# Altium PCB IDC_MCX_Adapter_flex.PCBDOC (part 2 of 4)
Units mm, origin at the board's own origin, x right, y up, seen from the top; angles counter-clockwise.
Board outline 170.6 x 106.1 mm, 4 copper layers (L1, L2, L3, L4), stack 1.598 mm thick; 298 components, 203 nets, 907 pads, 346 vias.
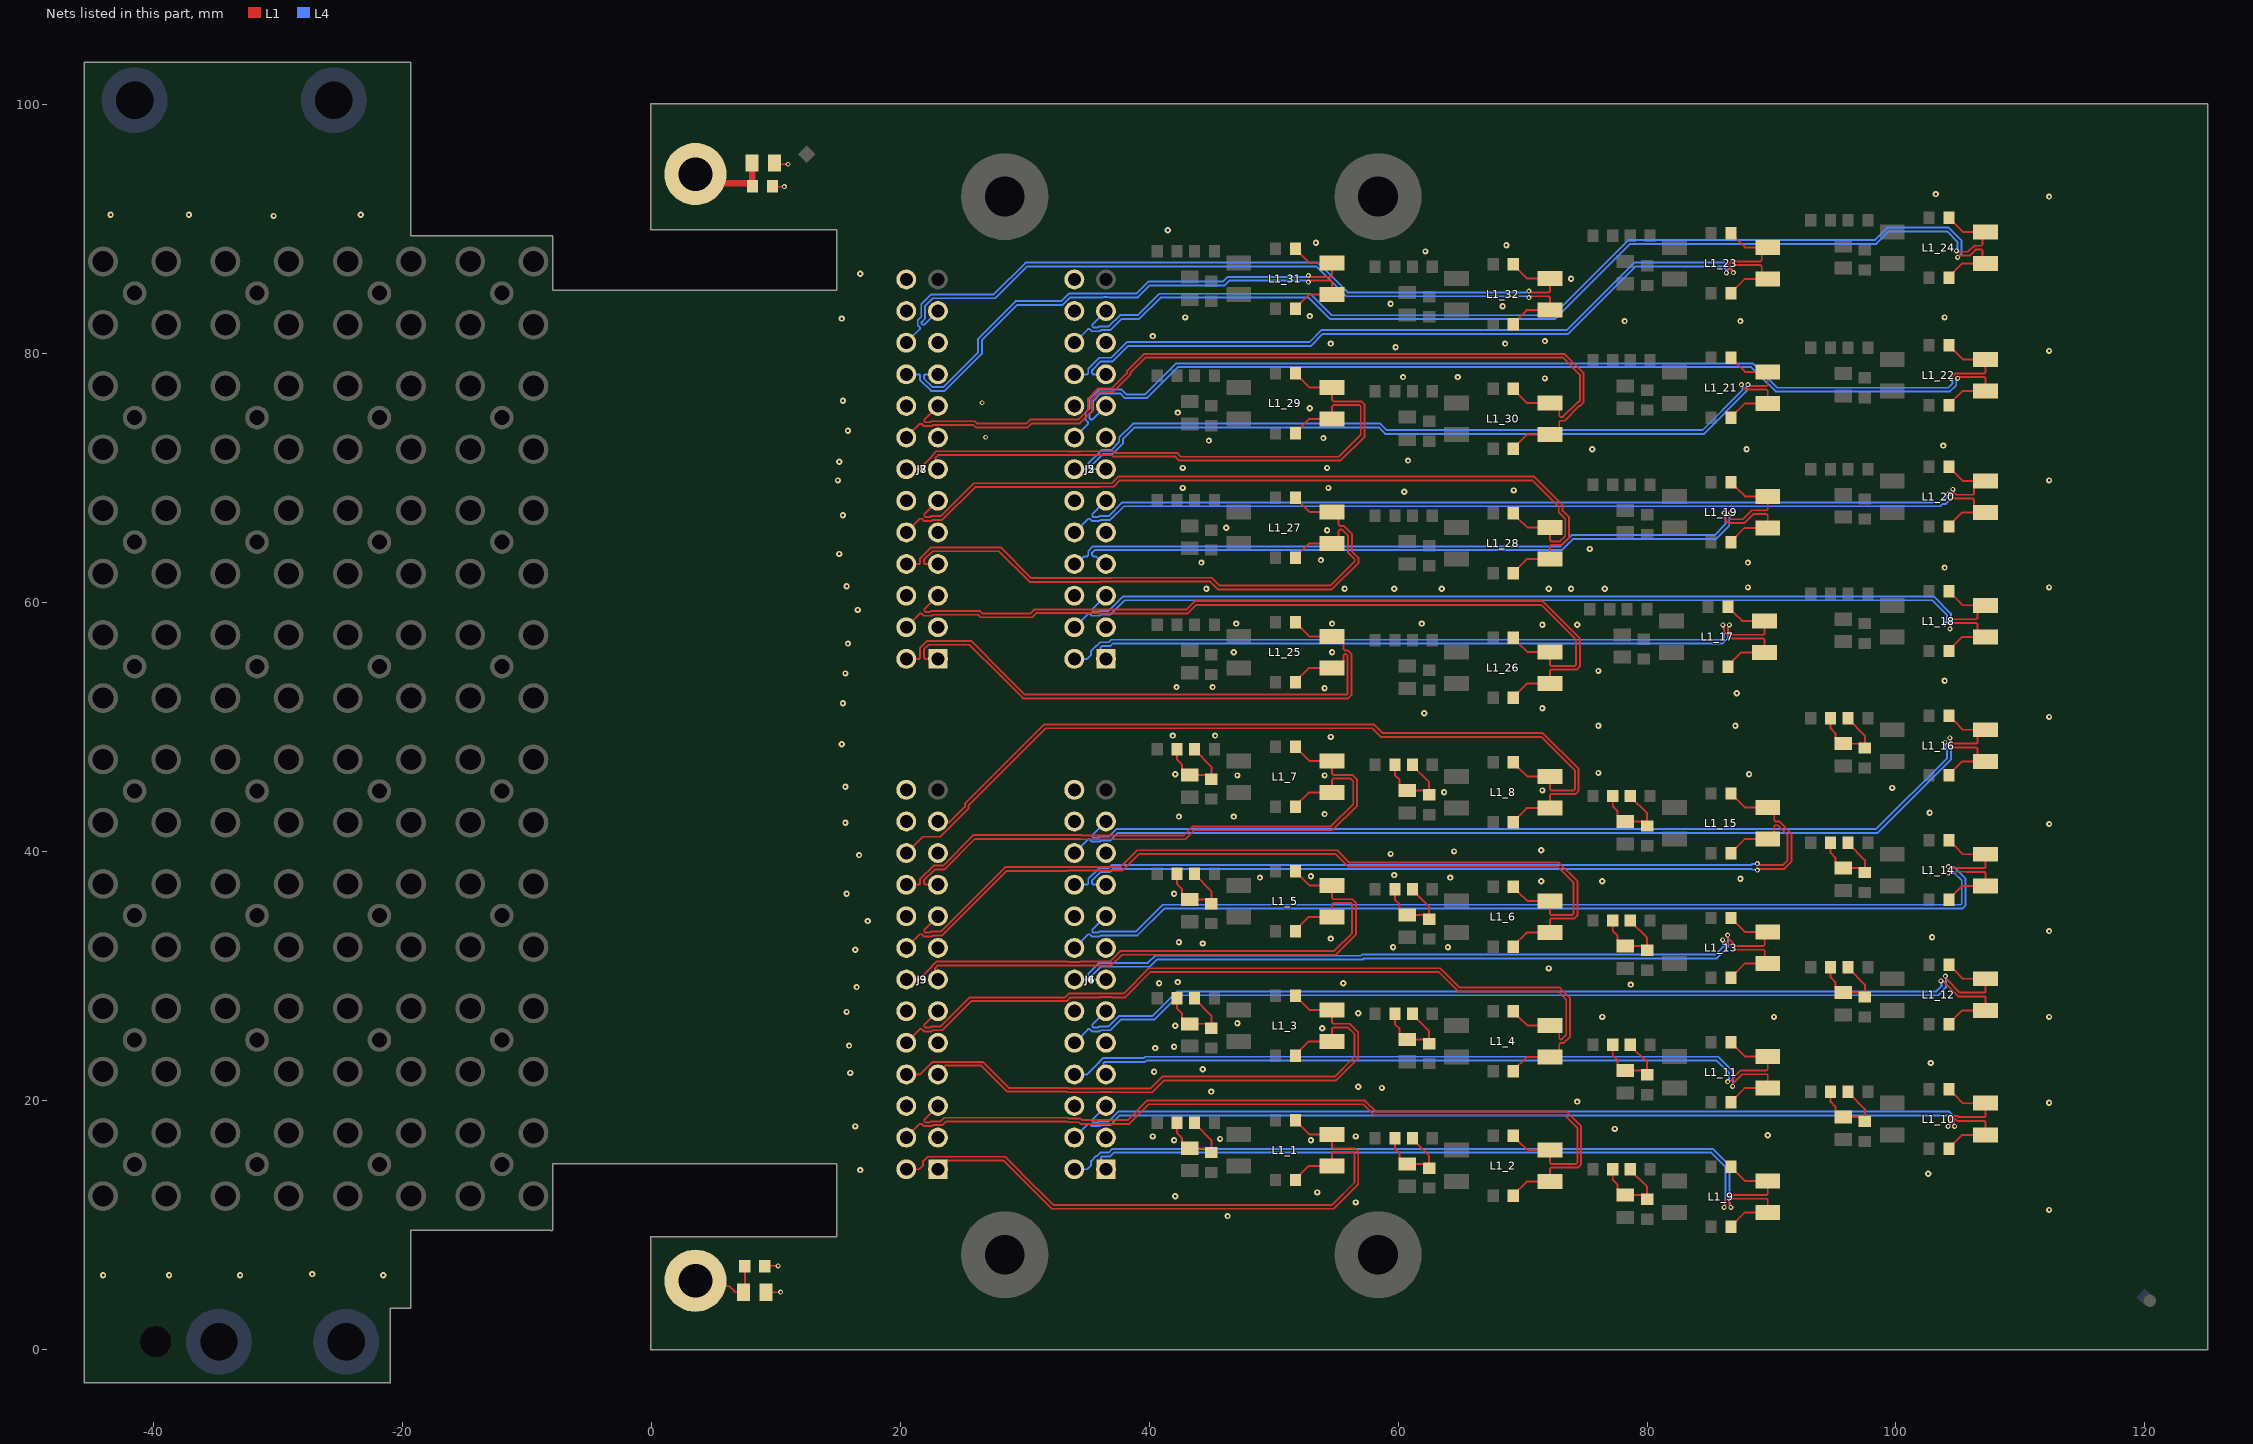
[diagram p4: the nets of this part, all layers, seen from the top]

## Part data
B1 B7: library part PLATED_HOLE2.7_PAD5.0, "Single Terminal Socket", Author="CERN DEM JMW", ComponentHeight=0mm, Component Type="Standard (No BOM)", CreateDate=27.09.2011, Family="Plated Hole", HelpURL=Undefined, LatestRevisionDate=27.09.2011, Mounted=No, PackageDescription="Plated Through Hole: Hole Dia.=2.7mm Pad Dia.=5.0mm", Part Description="Plated Through Hole: Hole Dia.=2.7mm Pad Dia.=5.0mm", Part Number=PLATED_HOLE2.7_PAD5.0, Pin Count=1, Sense=No, SMD=No, Socket=No, Status=None
B2 B3 B4 B5: library part PLATED_HOLE3.2_PAD7.0, "Single Terminal Socket", Author="CERN DEM JMW", Component Type="Standard (No BOM)", ComponentHeight=0mm, CreateDate=28.11.2017, Family="Plated Hole", HelpURL=Undefined, LatestRevisionDate=28.11.2017, Mounted=No, PackageDescription="Plated Through Hole: Hole Dia.=3.2mm Pad Dia.=7.0mm", Part Description="Plated Through Hole: Hole Dia.=3.2mm Pad Dia.=7.0mm", Part Number=PLATED_HOLE3.2_PAD7.0, Pin Count=1, Sense=No, SMD=No, Socket=No, Status=None
C1_1 C1_2 C1_3 C1_4 C1_5 C1_6 C1_7 C1_8 C1_9 C1_10 C1_11 C1_12 C1_13 C1_14 C1_15 C1_16 C1_17 C1_18 C1_19 C1_20 C1_21 C1_22 C1_23 C1_24 C1_25 C1_26 C1_27 C1_28 C1_29 C1_30 C1_31 C1_32 C11 C15: library part CC0805_NO-VALUE, "Non-polarised capacitor", Case=0805, Manufacturer1 ComponentHeight=1.35mm, Author="CERN DEM JLC", Component Type=Standard, CreateDate=10.12.2008, HelpURL=Undefined, LatestRevisionDate=11.09.2013, Manufacturer=Undefined, Manufacturer Part Number=CC0805_NO-VALUE, Mounted=No, Part Description="Reserved Footprint For 0805(2012) Chip Ceramic Capacitor", Part Number=CC0805_NO-VALUE, Pin Count=2, Sense=No, SMD=Yes, Socket=No, Status=None
FTG1: library part FIDUCIAL_TARGET_C100-200, "Fiducial Target", Author="CERN DEM JLC", ComponentHeight=0mm, Component Type="Standard (No BOM)", CreateDate=09.02.2010, Family=Fiducial, HelpURL=Undefined, LatestRevisionDate=04.04.2012, Mounted=No, PackageDescription="Round Fiducial Target, Top Layer, 1.0mm, Top Solder 2.0mm, Keepout =2.0mm", Part Description="Round Fiducial Target, Top Layer, 1.0mm, Top Solder 2.0mm, Keepout =2.0mm", Part Number=FIDUCIAL_TARGET_C100-200, Pin Count=1, Sense=No, SMD=Yes, Socket=No, Status=None
FTG2 FTG3 FTG4: library part FIDUCIAL_TARGET_S100-200, "Fiducial Target", Author="CERN DEM JLC", ComponentHeight=0mm, Component Type="Standard (No BOM)", CreateDate=09.02.2010, Family=Fiducial, HelpURL=Undefined, LatestRevisionDate=04.04.2012, Mounted=No, PackageDescription="Square Fiducial Target, Top Layer, 1.0mm, Top Solder 2.0mm, Keepout =2.0mm", Part Description="Square Fiducial Target, Top Layer, 1.0mm, Top Solder 2.0mm, Keepout =2.0mm", Part Number=FIDUCIAL_TARGET_S100-200, Pin Count=1, Sense=No, SMD=Yes, Socket=No, Status=None
J2 J6 J8 J9: library part CMP-1023-00053-1, "Elevated Socket, Through-hole, Vertical, -55 to 125 degC, 2.54 mm Pitch, 26-Pin, Female, RoHS", Manufacturer=Samtec, Temperature Range="-55 to 125 degC", ComponentLink1Description="Manufacturer URL", ComponentLink1URL=http://www.samtec.com, ComponentLink2Description=Datasheet, ComponentLink2URL=http://www.samtec.com/documents/webfiles/pdf/ESW_TH.PDF, ComponentLink3Description="Package Specification", ComponentLink3URL=http://www.samtec.com/documents/webfiles/cpdf/ESW-1XX-XX-X-X-XX-XX-MKT.pdf, DatasheetVersion=F-214, Mounting Technology=Through-hole, Orientation=Vertical, PackageDescription="ESW Strip ASM", PackageReference=ESW-113-23-X-D, PackageVersion="AV, 7/1985", PartNumber=ESW-113-23-L-D, Pitch="2.54 mm", RoHS=True
J3 J4 J5 J7: library part 3M_N2526-6002RB, "Connector 26 Male", Manufacturer=3M, Manufacturer Part Number=N2526-6002RB, Author="CERN DEM JLC", ComponentHeight=10.03mm, Component Type=Standard, CreateDate=11.02.2009, Family="Header 26", HelpURL=\\cern.ch\dfs\Applications\Altium\Datasheets\3M_N2526-6002RB.pdf, LatestRevisionDate=11.08.2009, Mounted=Yes, Part Description="26 Contacts - Straight .100'' x .100'' Low Profile Four-Wall Header, 2500 Series", Part Number=3M_N2526-6002RB, Pin Count=26, PressFit=No, Sense=No, SMD=No, Socket=No, Status=None
J13 J14 J15 J16 J17 J18 J19 J20 J21 J22 J23 J24 J25 J26 J27 J28 J29 J30 J31 J32 J33 J34 J35 J36 J37 J38 J39 J40 J41 J42 J43 J44: library part AMPHENOL_919-109J-51PX, Manufacturer=AMPHENOL, Manufacturer Part Number="919-109J-51PX (MCX6251B1-3GT30G-50)", Author="CERN DEM BC", Component Type=Standard, ComponentHeight=6.06mm, CreateDate=31.01.2019, Family=MCX, HelpURL=\\cern.ch\dfs\Applications\Altium\Datasheets\AMPHENOL_919-109J-51PX.pdf, LatestRevisionDate=31.01.2019, Mounted=Yes, Part Description="50 Ohm, RF Connector, MCX Straight PCB Receptacle Jack", Part Number=AMPHENOL_919-109J-51PX, Pin Count=5, PressFit=No, Sense=No, SMD=No, Socket=No, Status=None
L1_1 L1_2 L1_3 L1_4 L1_5 L1_6 L1_7 L1_8 L1_9 L1_10 L1_11 L1_12 L1_13 L1_14 L1_15 L1_16 L1_17 L1_18 L1_19 L1_20 L1_21 L1_22 L1_23 L1_24 L1_25 L1_26 L1_27 L1_28 L1_29 L1_30 L1_31 L1_32: library part IND_6.5MH_50%_WURTH_WE-SL2-744229, "Inductor Common Mode", Manufacturer="WURTH ELEKTRONIK", Manufacturer Part Number=744229, Power=400mA, Resistance=0.95R, Tolerance=±50%, Author="CERN DEM JLC", Component Type=Standard, ComponentHeight=5.3mm, CreateDate=01.10.2012, HelpURL=\\cern.ch\dfs\Applications\Altium\Datasheets\IND_WURTH_WE-SL2_744229.pdf, LatestRevisionDate=15.10.2012, Mounted=Yes, Part Description="Common Mode SMD Line Filter (WE-SL2 Serie)", Part Number=IND_6.5MH_50%_WURTH_WE-SL2-744229, Pin Count=4, Sense=No, SMD=Yes, Socket=No, Status=None
R1_1 R1_2 R1_3 R1_4 R1_5 R1_6 R1_7 R1_8 R1_9 R1_10 R1_11 R1_12 R1_13 R1_14 R1_15 R1_16 R1_17 R1_18 R1_19 R1_20 R1_21 R1_22 R1_23 R1_24 R1_25 R1_26 R1_27 R1_28 R1_29 R1_30 R1_31 R1_32 R2_1 R2_2 R2_3 R2_4 R2_5 R2_6 R2_7 R2_8 R2_9 R2_10 R2_11 R2_12 R2_13 R2_14 R2_15 R2_16 R2_17 R2_18 R2_19 R2_20 R2_21 R2_22 R2_23 R2_24 R2_25 R2_26 R2_27 R2_28 R2_29 R2_30 R2_31 R2_32 R3_1 R3_2 R3_3 R3_4 R3_5 R3_6 R3_7 R3_8 R3_9 R3_10 R3_11 R3_12 R3_13 R3_14 R3_15 R3_16 R3_17 R3_18 R3_19 R3_20 R3_21 R3_22 R3_23 R3_24 R3_25 R3_26 R3_27 R3_28 R3_29 R3_30 R3_31 R3_32 R5_1 R5_2 R5_3 R5_4 R5_5 R5_6 R5_7 R5_8 R5_9 R5_10 R5_11 R5_12 R5_13 R5_14 R5_15 R5_16 R5_17 R5_18 R5_19 R5_20 R5_21 R5_22 R5_23 R5_24 R5_25 R5_26 R5_27 R5_28 R5_29 R5_30 R5_31 R5_32 R17 R23: library part R0603_0R_JUMPER, "Resistor", Case=0603, Manufacturer=GENERIC, Manufacturer1 ComponentHeight=0.55mm, Manufacturer1 Example="NIC COMPONENT", Manufacturer1 Part Number=NRC06Z0, Author="CERN DEM JLC", Component Type=Standard, CreateDate=03.12.2007, HelpURL=\\cern.ch\dfs\Applications\Altium\Datasheets\R0603_NIC_NRC.pdf, LatestRevisionDate=13.03.2008, Manufacturer Part Number=R0603_0R_JUMPER, Mounted=Yes, Part Description="1A (0.05R Max DC Resistance) Zero Ohm Jumper", Part Number=R0603_0R_JUMPER, Pin Count=2, Sense=No, SMD=Yes, Socket=No, Status=Preferred
  R17 R23: PressFit=No
R4_1 R4_2 R4_3 R4_4 R4_5 R4_6 R4_7 R4_8 R4_9 R4_10 R4_11 R4_12 R4_13 R4_14 R4_15 R4_16 R4_17 R4_18 R4_19 R4_20 R4_21 R4_22 R4_23 R4_24 R4_25 R4_26 R4_27 R4_28 R4_29 R4_30 R4_31 R4_32: library part R0603_NO-VALUE, "Resistor", Case=0603, Author="CERN DEM JLC", Component Type=Standard, CreateDate=03.12.2007, HelpURL=Undefined, LatestRevisionDate=13.03.2008, Manufacturer=Undefined, Manufacturer1 ComponentHeight=Undefined, Manufacturer1 Example=Undefined, Manufacturer1 Part Number=Undefined, Manufacturer Part Number=R0603_NO-VALUE, Mounted=No, Part Description="Reserved Footprint For a 0603 (1608) Chip Resistor", Part Number=R0603_NO-VALUE, Pin Count=2, PressFit=No, Sense=No, SMD=Yes, Socket=No, Status=None
S1 S2 S3 S4: library part "WA-SMSI,  9774035243", "WA-SMSI SMD Steel Spacer with internal Thread", Manufacturer="Wurth Elektronik", ComponentLink1Description=Manufacturer, ComponentLink1URL=http://www.we-online.de, ComponentLink2Description=Datasheet, ComponentLink2URL=http://katalog.we-online.de/em/datasheet/9774035243.pdf, Created by="Baojun Chen", Created Date=20.Oct.2015, partNo=9774035243
SCREW3 SCREW4 SCREW5 SCREW6 SCREW7 SCREW8 SCREW9 SCREW10: library part BOSSARD_BN5687-3061605_v, "Screw", Manufacturer=BOSSARD, Manufacturer Part Number="BN5687 Art.3061605", Author="CERN DEM JLC", Component Type=Mechanical, ComponentHeight=2.4mm, CreateDate=15.01.2013, HelpURL=\\cern.ch\dfs\Applications\Altium\Datasheets\BOSSARD_BN5687-3061605.pdf, LatestRevisionDate=15.01.2013, Mounted=Yes, PackageDescription="M3 L=6mm Hexalobular Socket Pan Head Screw, Fully Threaded - Stainless Steel A2", Part Description="M3 L=6mm Hexalobular Socket Pan Head Screw, Fully Threaded, Stainless Steel A2", Part Number=BOSSARD_BN5687-3061605_v, Pin Count=0, PressFit=No, Sense=No, SMD=No, Socket=No, Status=None
ST1 ST3 ST4 ST5: library part STANDOFF_HARWIN_R30_1001802, "M3.0x18 standoff", Manufacturer=Harwin, Manufacturer Part Number=R30-1001802
W1 W2 W3 W4: "M3 Washer: / ID: 3.2mm / OD: 6mm / Thickness 0.8mm", Manufacturer="Accu Limited", Manufacturer Part Number=HAFZ-M3-A4

## Free pads (board coordinates)
  round 2.55 hole 2.55: 1(-39.805,0.6)

## Via types
v1: diameter 0.5, hole 0.2, L1 to L4, tented both sides, 176 vias
v2: diameter 0.4, hole 0.2, L1 to L4, tented both sides, 170 vias

## Nets (pads, with @x,y where several pads share a name; then routed paths per layer and width w, separated by ;. In a path a pad name is that pad's centre, name@x,y a point inside that pad or via, vN(x,y) a via of type N, cw(c..) or ccw(c..) an arc to the next point about the centre after c; other vN are vias at no path point)
GND: C11.2 C15.2 J2.3 J2.6 J2.9 J2.12 J2.15 J2.18 J2.21 J2.24 J3.3 J3.6 J3.9 J3.12 J3.15 J3.18 J3.21 J3.24 J4.3 J4.6 J4.9 J4.12 J4.15 J4.18 J4.21 J4.24 J5.3 J5.6 J5.9 J5.12 J5.15 J5.18 J5.21 J5.24 J6.3 J6.6 J6.9 J6.12 J6.15 J6.18 J6.21 J6.24 J7.3 J7.6 J7.9 J7.12 J7.15 J7.18 J7.21 J7.24 J8.3 J8.6 J8.9 J8.12 J8.15 J8.18 J8.21 J8.24 J9.3 J9.6 J9.9 J9.12 J9.15 J9.18 J9.21 J9.24 R17.1 R23.1 | length 4.4
  L1 w0.127: R23.1@9.124,6.673 9.151,6.7 v2(10.2,6.7) ; C15.2@9.224,4.581 9.243,4.6 v2(10.4,4.6) ; R17.1@9.742,93.44 9.782,93.4 v2(10.7,93.4) ; C11.2@9.9,95.3 10,95.2 v2(11,95.2)
  other v1: -44.033,5.949 -38.733,5.949 -33.024,5.947 -21.533,5.949 -27.233,6.049 46.3,10.7 112.3,11.2 56.6,11.8 42.1,12.3 53.5,12.6 102.6,14.1 16.8,14.4 42,16.8 53,16.8 45.7,16.9 40.3,17.1 56.6,17.1 89.7,17.2 77.4,17.7 16.4,17.9 112.3,19.8 74.4,19.9 45,20.7 58.7,21 56.8,21.1 16,22.2 40.4,22.3 44.3,22.5 102.8,23 40.5,24.2 42,24.3 15.9,24.4 53.9,25.8 42.1,26 47.1,26.2 76.4,26.7 90.2,26.7 112.3,26.7 56.8,27 15.7,27.1 16.5,29.1 78.7,29.3 40.8,29.4 55.6,29.4 42.3,29.5 72.1,30.6 16.4,32.1 59.6,32.3 64,32.3 44.3,32.6 42.4,32.7 54.6,33 102.9,33.1 112.3,33.6 17.4,34.4 15.7,36.6 42,36.6 71.5,37.6 76.4,37.6 87.5,37.8 48.9,37.9 64.2,37.9 53,38 59.7,38.1 16.7,39.7 59.4,39.8 64.5,40 71.5,40.1 112.3,42.2 15.6,42.3 42.4,42.8 46.8,42.8 54.1,43 102.7,43.1 63.7,44.75 71.6,44.9 99.7,45.1 15.6,45.2 47.1,46.1 54.1,46.1 42.1,46.2 88.2,46.2 76.1,46.3 15.3,48.6 54.6,49.2 41.9,49.3 45.3,49.3 76.1,50.1 87.1,50.1 112.3,50.8 62.1,51.1 71.6,51.5 15.4,51.9 87.2,52.7 54.1,53.1 42.2,53.2 45.1,53.2 103.9,53.7 15.6,54.3 76.1,54.5 46.8,56 54.7,56 15.8,56.7 71.6,58.2 74.4,58.2 47,58.3 54.7,58.3 61.9,58.3 16.6,59.4 44.6,61.1 55.7,61.1 59.7,61.1 63.5,61.1 72.1,61.1 73.9,61.1 76.6,61.1 88.1,61.2 112.3,61.2 15.7,61.3 103.9,62.8 44.2,63.2 88.1,63.2 53.8,63.4 15.1,63.9 75.4,64.3 54.3,65.8 46.2,66 15.4,67 60.5,68.9 69.3,69 42.7,69.2 54.4,69.2 15,69.8 112.3,69.8 42.7,70.8 54.3,70.8 15.1,71.3 60.8,71.4 75.6,72.3 88,72.3 103.8,72.6 44.8,73 54,73.2 15.8,73.8 42.3,75.25 52.9,75.6 15.4,76.2 71.8,78 60.4,78.1 64.8,78.1 112.3,80.2 59.8,80.5 54.6,80.8 68.6,80.8 71.8,81 40.3,81.4 78.2,82.6 87.5,82.6 15.3,82.8 42.9,82.9 103.9,82.9 52.9,83 68.4,83.8 59.4,84 73.9,86 16.8,86.4 62.2,88.2 68.7,88.7 53.4,88.9 41.5,89.9 -30.333,91.049 -43.433,91.149 -37.133,91.149 -23.333,91.149 112.3,92.6 103.2,92.8
  other v2: 26.865,73.269 26.59,76.04
IN_N1: J3.2 J9.2 L1_1.3 R5_1.2 | length 47.7
  L1 w0.152: J9.2@20.492,14.466 21.521,14.466 21.847,14.792 21.847,15.118 22.198,15.469 28.431,15.469 30.992,12.908 31.1,12.8 32.3,11.6 54.7,11.6 56.5,13.4 56.5,15.758 56.411,15.848 54.789,15.848 54.7,15.758 L1_1.3@54.7,14.73 52.83,14.73 51.75,13.65 R5_1.2@51.75,13.6
IN_N2: J3.5 J9.5 L1_2.3 R5_2.2 | length 66.4
  L1 w0.152: J9.5@23.032,19.546 21.933,18.447 21.933,18.321 22.023,18.232 22.408,18.232 22.491,18.314 23.255,18.314 23.541,18.6 33.52,18.6 33.577,18.543 34.485,18.543 34.612,18.416 38.285,18.416 39.858,19.989 57.311,19.989 57.4,19.9 58.195,19.105 73.526,19.105 74.705,17.926 74.705,14.865 74.437,14.598 72.289,14.598 72.2,14.508 L1_2.3@72.2,13.48 70.33,13.48 69.25,12.4 R5_2.2@69.25,12.35
IN_N3: J3.8 J9.8 L1_3.3 R5_3.2 | length 46.7
  L1 w0.152: J9.8@20.492,22.086 21.614,22.086 22.617,23.089 26.651,23.089 28.74,21 33.48,21 33.524,20.956 40.125,20.956 41.071,21.902 54.902,21.902 56.5,23.5 56.5,25.348 56,25.848 54.789,25.848 54.7,25.758 L1_3.3@54.7,24.73 52.83,24.73 51.75,23.65 R5_3.2@51.75,23.6
IN_N4: J3.11 J9.11 L1_4.3 R5_4.2 | length 65.7
  L1 w0.152: J9.11@23.032,27.166 21.933,26.067 21.933,25.941 22.023,25.852 22.408,25.852 22.491,25.934 23.255,25.934 25.598,28.277 33.254,28.277 33.552,28.576 37.945,28.576 39.984,30.616 63.389,30.616 64.95,29.055 72.976,29.055 73.814,28.217 73.814,25.126 73.286,24.598 73.033,24.598 72.944,24.508 72.944,24.004 72.42,23.48 L1_4.3@72.2,23.48 70.33,23.48 69.25,22.4 R5_4.2@69.25,22.35
IN_N5: J3.14 J9.14 L1_5.3 R5_5.2 | length 45.9
  L1 w0.152: J9.14@20.492,29.706 21.521,29.706 22.503,30.688 22.503,30.747 22.897,31.141 33.499,31.141 33.524,31.116 34.461,31.116 34.486,31.141 36.846,31.141 37.705,32 54.863,32 56.3,33.437 56.3,35.758 56.211,35.848 54.789,35.848 54.7,35.758 L1_5.3@54.7,34.73 52.83,34.73 51.75,33.65 R5_5.2@51.75,33.6
IN_N6: J3.17 J9.17 L1_6.3 R5_6.2 | length 67.5
  L1 w0.152: J9.17@23.032,34.786 21.933,33.687 21.933,33.561 22.023,33.472 22.408,33.472 22.491,33.554 23.255,33.554 28.437,38.736 34.461,38.736 34.486,38.761 37.73,38.761 39.058,40.089 55.111,40.089 55.2,40 56.095,39.105 72.926,39.105 74.405,37.626 74.405,34.865 74.137,34.598 72.289,34.598 72.2,34.508 L1_6.3@72.2,33.48 70.33,33.48 69.25,32.4 R5_6.2@69.25,32.35
IN_N7: J3.20 J9.20 L1_7.3 R5_7.2 | length 47
  L1 w0.152: J9.20@20.492,37.326 21.521,37.326 21.61,37.415 21.61,37.789 22.684,38.863 23.448,38.863 25.886,41.301 34.587,41.301 34.612,41.276 42.783,41.276 43.507,42 54.6,42 56.4,43.8 56.4,45.648 56.2,45.848 54.789,45.848 54.7,45.758 L1_7.3@54.7,44.73 52.83,44.73 51.75,43.65 R5_7.2@51.75,43.6
IN_N8: J3.23 J9.23 L1_8.3 R5_8.2 | length 65.1
  L1 w0.152: J9.23@23.032,42.406 23.106,42.333 23.947,42.333 25.195,43.581 25.195,43.826 31.569,50.2 58.055,50.2 58.75,49.505 71.626,49.505 74.505,46.626 74.505,44.865 74.237,44.598 72.289,44.598 72.2,44.508 L1_8.3@72.2,43.48 70.33,43.48 69.25,42.4 R5_8.2@69.25,42.35
IN_N9: J4.2 J6.2 L1_9.3 R5_9.2 | length 65.7
  L1 w0.152: v2(86.727,11.4) 86.727,11.467 86.616,11.578 86.616,11.859 86.854,12.098 89.611,12.098 89.7,12.008 L1_9.3@89.7,10.98 87.83,10.98 86.75,9.9 R5_9.2@86.75,9.85
  L4 w0.152: J6.2@33.992,14.466 35.021,14.466 35.347,14.792 35.347,15.118 35.761,15.532 35.82,15.532 36.088,15.8 36.745,15.8 37.05,16.105 85.276,16.105 86.516,14.866 86.616,14.766 86.616,11.716 86.679,11.652 86.679,11.447 v2(86.727,11.4)
IN_N10: J4.5 J6.5 L1_10.3 R5_10.2 | length 80
  L1 w0.152: R5_10.2@104.25,16.1 104.25,16.15 105.33,17.23 L1_10.3@107.2,17.23 107.2,18.258 107.111,18.348 104.921,18.348 104.82,18.448 104.694,18.448 104.605,18.359 104.605,18.078 104.716,17.967 v2(104.716,17.9)
  L4 w0.152: J6.5@36.532,19.546 35.433,18.447 35.433,18.321 35.523,18.232 35.908,18.232 35.991,18.314 36.755,18.314 37.53,19.089 104.292,19.089 104.416,18.966 104.605,18.776 104.605,18.078 104.716,17.967 v2(104.716,17.9)
IN_N11: J4.8 J6.8 L1_11.3 R5_11.2 | length 63.1
  L1 w0.152: R5_11.2@86.75,19.85 86.75,19.9 87.83,20.98 L1_11.3@89.7,20.98 89.7,22.008 89.611,22.098 87.656,22.098 86.92,21.362 86.92,21.175 v2(86.873,21.127)
  L4 w0.152: J6.8@33.992,22.086 35.021,22.086 36.024,23.09 36.024,23.127 36.292,23.395 39.564,23.395 39.674,23.505 85.726,23.505 86.716,22.516 86.905,22.326 86.905,21.16 v2(86.873,21.127)
IN_N12: J4.11 J6.11 L1_12.3 R5_12.2 | length 80.4
  L1 w0.152: v2(103.6,29.6) 103.647,29.553 103.804,29.553 105.01,28.348 107.111,28.348 107.2,28.258 L1_12.3@107.2,27.23 105.33,27.23 104.25,26.15 R5_12.2@104.25,26.1
  L4 w0.152: J6.11@36.532,27.166 35.433,26.067 35.433,25.941 35.523,25.852 35.908,25.852 35.991,25.934 36.755,25.934 37.61,26.789 40.284,26.789 42.245,28.75 103.25,28.75 103.693,29.193 103.647,29.239 103.647,29.553 v2(103.6,29.6)
IN_N13: J4.14 J6.14 L1_13.3 R5_13.2 | length 62.4
  L1 w0.152: v2(86.069,32.9) 86.129,32.9 86.373,32.656 86.471,32.656 87.03,32.098 89.363,32.098 89.453,32.008 89.453,31.227 L1_13.3@89.7,30.98 87.83,30.98 86.75,29.9 R5_13.2@86.75,29.85
  L4 w0.152: J6.14@33.992,29.706 35.021,29.706 35.11,29.795 35.11,30.17 35.98,31.04 39.909,31.04 40.484,31.616 57.02,31.616 57.118,31.714 85.483,31.714 86.2,32.431 86.117,32.514 86.117,32.853 v2(86.069,32.9)
IN_N14: J4.17 J6.17 L1_14.3 R5_14.2 | length 83.3
  L1 w0.152: v2(104.2,38.25) 104.267,38.25 104.378,38.361 105.636,38.361 105.649,38.348 107.111,38.348 107.2,38.258 L1_14.3@107.2,37.23 105.33,37.23 104.25,36.15 R5_14.2@104.25,36.1
  L4 w0.152: J6.17@36.532,34.786 35.433,33.687 35.433,33.561 35.523,33.472 35.908,33.472 35.991,33.554 38.941,33.554 41.1,35.714 105.195,35.714 105.284,35.803 105.284,37.666 104.7,38.25 v2(104.2,38.25)
IN_N15: J4.20 J6.20 L1_15.3 R5_15.2 | length 66.6
  L1 w0.152: R5_15.2@86.75,39.85 86.75,39.9 87.83,40.98 L1_15.3@89.7,40.98 90.224,41.504 90.224,42.008 90.313,42.098 90.506,42.098 91.3,41.303 91.3,39.3 90.905,38.905 89.048,38.905 88.937,39.016 v2(88.87,39.016)
  L4 w0.152: J6.20@33.992,37.326 35.021,37.326 35.11,37.415 35.11,37.79 35.98,38.66 36.745,38.66 36.99,38.905 88.365,38.905 88.441,38.981 88.835,38.981 v2(88.87,39.016)
IN_N16: J4.23 J6.23 L1_16.3 R5_16.2 | length 81.9
  L1 w0.152: v2(103.95,48.75) 103.997,48.703 104.154,48.703 104.51,48.348 106.463,48.348 106.553,48.258 106.553,47.754 L1_16.3@107.076,47.23 ; R5_16.2@104.25,46.1 104.25,46.15 105.33,47.23 L1_16.3@107.076,47.23 ; L1_16.3@107.2,47.23 L1_16.3@107.076,47.23
  L4 w0.152: J6.23@36.532,42.406 35.433,41.307 35.433,41.181 35.523,41.092 35.908,41.092 35.991,41.174 36.755,41.174 37.37,41.789 98.389,41.789 104.1,47.5 104.1,48.15 104.137,48.187 103.997,48.326 103.997,48.703 v2(103.95,48.75)
IN_N17: J2.2 J5.2 L1_17.3 R5_17.2 | length 62.7
  L1 w0.152: v2(86.089,58.2) 86.089,58.133 86.2,58.022 86.2,57.645 86.748,57.098 89.361,57.098 89.45,57.008 L1_17.3@89.45,55.98 87.58,55.98 86.5,54.9 R5_17.2@86.5,54.85
  L4 w0.152: J2.2@33.992,55.466 35.021,55.466 35.347,55.792 35.347,56.118 35.736,56.507 35.795,56.507 36.088,56.8 36.745,56.8 36.95,57.005 85.95,57.005 86.2,57.255 86.2,57.9 86.136,57.964 86.136,58.153 v2(86.089,58.2)